# KiCad board Regulador.kicad_pcb (continued)
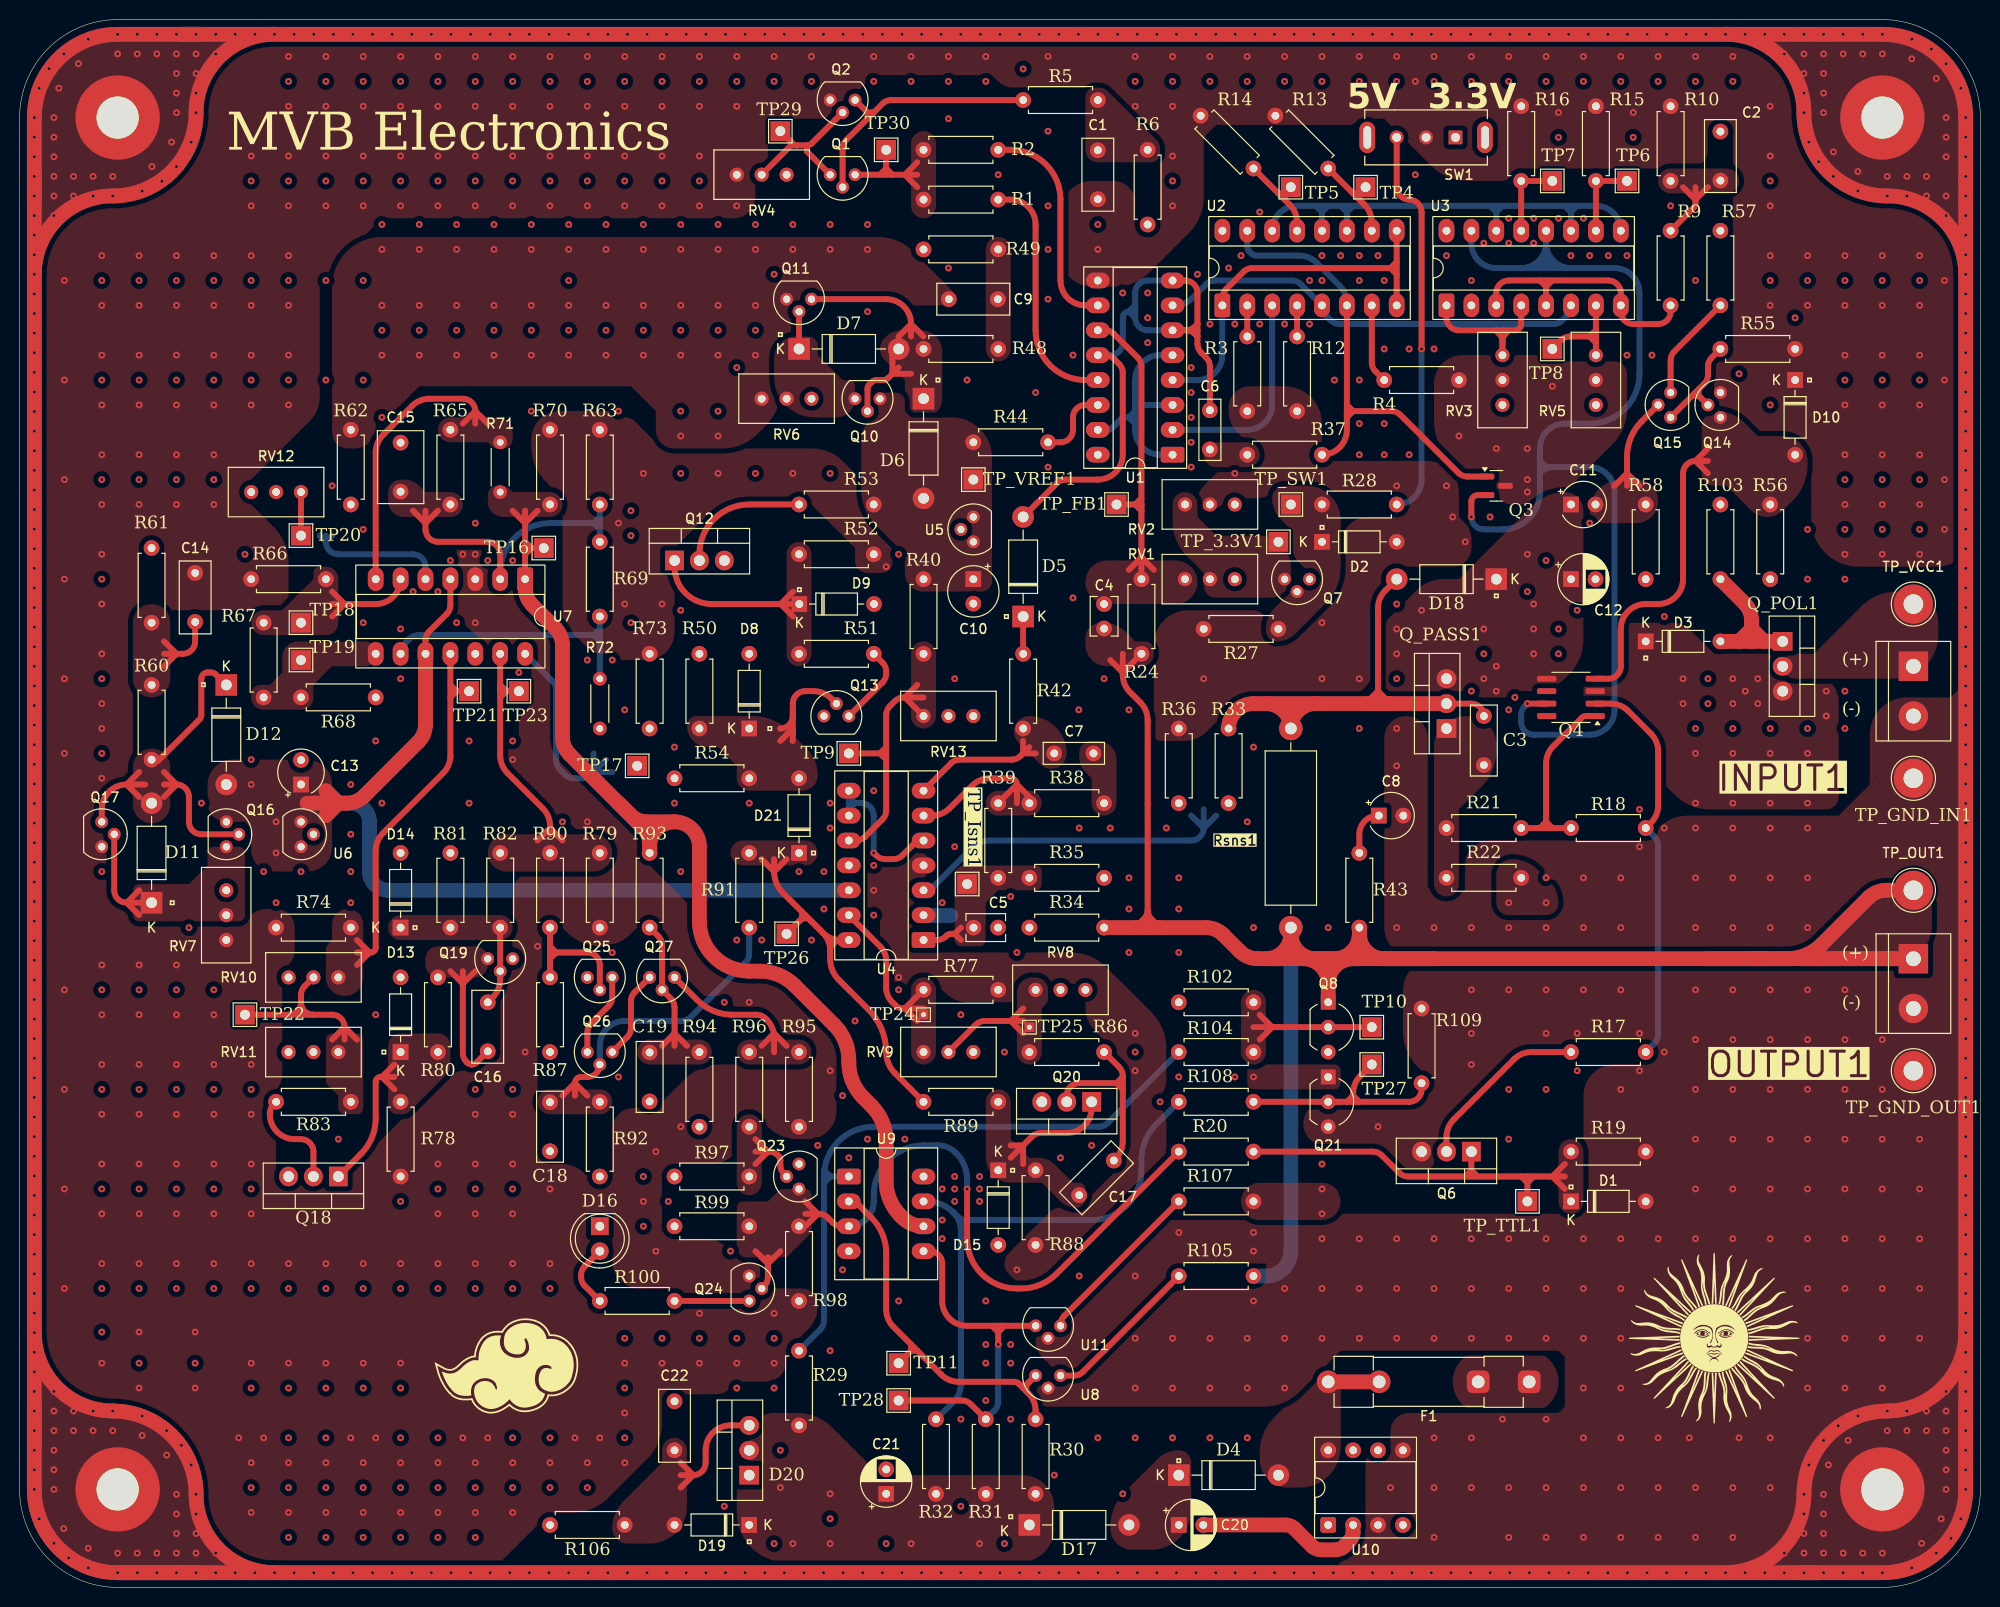
[diagram p0: board, top side]
## Library data of the parts
C1 C2 C4-C17 C20-C22 = -: ki_fp_filters: C_*
C3 C18 C19 = -: Description: Unpolarized capacitor; ki_fp_filters: C_*
D1-D3 D8-D10 D13-D15 D19 = -: ki_fp_filters: TO-???* *_Diode_* *SingleDiode* D_*
D4-D7 D11 D12 D17 D18 = -: Datasheet: http://www.vishay.com/docs/88525/1n5817.pdf; Description: 40V 1A Schottky Barrier Rectifier Diode, DO-41; ki_fp_filters: D*DO?41*
D16 = -: Description: Light emitting diode; Sim.Pins: 1=K 2=A; ki_fp_filters: LED* LED_SMD:* LED_THT:*
D20 = -: Description: Silicon controlled rectifier, cathode/anode/gate
D21 = -: Sim.Device: D; Sim.Pins: 1=K 2=A; ki_fp_filters: D*DO?35*
F1 = -: ki_fp_filters: *Fuse*
H1-H4 = -: ki_fp_filters: MountingHole*Pad*
INPUT1 OUTPUT1 = -: ki_fp_filters: Connector*:*_1x??_*
Q1 Q2 Q7 Q10 Q11 Q13-Q17 Q19 Q23-Q27 = -: ki_fp_filters: TO?92*
Q3 = -: Datasheet: https://www.onsemi.com/pub/Collateral/BC808-D.pdf; Description: 0.8A Ic, 45V Vce, PNP Transistor, SOT-23; ki_fp_filters: SOT?23*
Q6 Q12 Q18 = -: Datasheet: https://ngspice.sourceforge.io/docs/ngspice-html-manual/manual.xhtml#cha_MOSFETs; Description: N-MOSFET transistor, drain/source/gate; Sim.Device: NMOS; Sim.Type: VDMOS; Sim.Pins: 1=D 2=G 3=S
Q8 Q21 = -: Sim.Device: PJFET; Sim.Type: SHICHMANHODGES; Sim.Pins: 1=D 2=G 3=S
Q20 = -: Sim.Device: NMOS; Sim.Type: VDMOS; Sim.Pins: 1=G 2=D 3=S
Q_PASS1 = -: Datasheet: https://www.centralsemi.com/get_document.php?cmp=1&mergetype=pd&mergepath=pd&pdf_id=TIP42.PDF; Description: -6A Ic, -100V Vce, Power PNP Transistor, TO-220; ki_fp_filters: TO?220*
Q_POL1 = -: Datasheet: http://www.infineon.com/dgdl/irf4905.pdf?fileId=5546d462533600a4015355e32165197c; Description: -74A Id, -55V Vds, Single P-Channel HEXFET Power MOSFET, 20mOhm Ron, TO-220AB; ki_fp_filters: TO?220*
R1-R6 R9 R10 R12-R22 R24 R27-R40 R42-R44 R48-R58 R60-R63 R65-R70 R73 R74 R77-R83 R86-R100 R102-R109 = -: Description: Resistor, US symbol; ki_fp_filters: R_*
R71 R72 Rsns1 = -: ki_fp_filters: R_*
RV1-RV13 = -: ki_fp_filters: Potentiometer*
SW1 = -: Height: 4.7; Manufacturer_Name: KNITTER-SWITCH; Manufacturer_Part_Number: MFP113D-RA
TP4-TP11 TP16-TP30 TP_3.3V1 TP_FB1 TP_GND_IN1 TP_GND_OUT1 TP_Isns1 TP_OUT1 TP_SW1 TP_TTL1 TP_VCC1 TP_VREF1 = -: ki_fp_filters: Pin* Test*
U4 = -: ki_fp_filters: SOIC*3.9x8.7mm*P1.27mm* DIP*W7.62mm* TSSOP*4.4x5mm*P0.65mm* SSOP*5.3x6.2mm*P0.65mm* MSOP*3x3mm*P0.5mm*
U5 U6 U8 U11 = -: ki_fp_filters: TO*92*
U7 = -: ki_fp_filters: SOIC*3.9x8.7mm*P1.27mm* TSSOP*4.4x5mm*P0.65mm*
U9 = -: ki_fp_filters: SOIC*3.9x4.9mm*P1.27mm* DIP*W7.62mm* SOP*5.28x5.23mm*P1.27mm* VSSOP*3x3mm*P0.65mm* TSSOP*4.4x3mm*P0.65mm*
U10 = -: ki_fp_filters: DIP*W7.62mm* SOIC*3.9x4.9mm* MSOP*3x3mm*P0.65mm* TO?99*

## Footprints (pads in the part's own frame, mm; a bottom-side part is the same pattern mirrored in y, then rotated)
C_Disc_D3.8mm_W2.6mm_P2.50mm
  round 1.6 hole 0.8: 1(0,0) 2(2.5,0)
C_Rect_L7.0mm_W2.0mm_P4.00mm
  round 1.6 hole 0.8: 1(0.5,0) 2(4.5,0)
C_Rect_L7.0mm_W2.5mm_P5.00mm
  round 1.6 hole 0.8: 1(0,0) 2(5,0)
C_Rect_L7.2mm_W3.0mm_P5.00mm_FKS2_FKP2_MKS2_MKP2
  round 1.6 hole 0.8: 1(0,0) 2(5,0)
C_Rect_L7.2mm_W4.5mm_P5.00mm_FKS2_FKP2_MKS2_MKP2
  round 1.6 hole 0.8: 1(0,0) 2(5,0)
CERDIP-8
  rrect 2.4x1.6 hole 0.8: 1(0,0)
  oval 2.4x1.6 hole 0.8: 2(0,-2.54) 3(0,-5.08) 4(0,-7.62) 5(7.62,-7.62) 6(7.62,-5.08) 7(7.62,-2.54) 8(7.62,0)
CERDIP-14
  rrect 2.4x1.6 hole 0.8: 1(0,0)
  oval 2.4x1.6 hole 0.8: 2(0,-2.54) 3(0,-5.08) 4(0,-7.62) 5(0,-10.16) 6(0,-12.7) 7(0,-15.24) 8(7.62,-15.24) 9(7.62,-12.7) 10(7.62,-10.16) 11(7.62,-7.62) 12(7.62,-5.08) 13(7.62,-2.54) 14(7.62,0)
CP_Radial_D5.0mm_P2.50mm
  rect 1.6x1.6 hole 0.8: 1(0,0)
  round 1.6 hole 0.8: 2(2.5,0)
CP_Radial_Tantal_D4.5mm_P2.50mm
  rect 1.6x1.6 hole 0.8: 1(0,0)
  round 1.6 hole 0.8: 2(2.5,0)
CP_Radial_Tantal_D5.0mm_P2.50mm
  rect 1.6x1.6 hole 0.8: 1(0,0)
  round 1.6 hole 0.8: 2(2.5,0)
D_DO-35_SOD27_P7.62mm_Horizontal
  rect 1.6x1.6 hole 0.8: 1(0,0)
  oval 1.6x1.6 hole 0.8: 2(7.62,0)
D_DO-41_SOD81_P10.16mm_Horizontal
  rect 2.2x2.2 hole 1.1: 1(0,0)
  oval 2.2x2.2 hole 1.1: 2(10.16,0)
DIP-8_W7.62mm_Socket
  rrect 1.6x1.6 hole 0.8: 1(0,0)
  round 1.6 hole 0.8: 2(0,-2.54) 3(0,-5.08) 4(0,-7.62) 5(7.62,-7.62) 6(7.62,-5.08) 7(7.62,-2.54) 8(7.62,0)
DIP-16
  rrect 2.4x1.6 hole 0.8: 1(0,0)
  oval 2.4x1.6 hole 0.8: 2(0,-2.54) 3(0,-5.08) 4(0,-7.62) 5(0,-10.16) 6(0,-12.7) 7(0,-15.24) 8(0,-17.78) 9(7.62,-17.78) 10(7.62,-15.24) 11(7.62,-12.7) 12(7.62,-10.16) 13(7.62,-7.62) 14(7.62,-5.08) 15(7.62,-2.54) 16(7.62,0)
Fuseholder_Clip-5x20mm_Littelfuse_445-030_Inline_P20.50x5.20mm_D1.30mm_Horizontal
  rrect 2.3x2.3 hole 1.3: 1(0,0) 1(5.2,0)
  round 2.3 hole 1.3: 2(15.3,0) 2(20.5,0)
LED_D5.0mm
  rect 1.8x1.8 hole 0.9: 1(0,0)
  round 1.8 hole 0.9: 2(2.54,0)
MountingHole_4.3mm_M4_Pad_TopOnly
  round 4.7 hole 4.3: 1(0,0)
  round 8.6 smd: 1(0,0)
Potentiometer_Bourns_3296W_Vertical
  round 1.44 hole 0.8: 1(0,0) 2(-2.54,0) 3(-5.08,0)
R_Axial_DIN0204_L3.6mm_D1.6mm_P5.08mm_Horizontal
  round 1.4 hole 0.7: 1(0,0)
  oval 1.4x1.4 hole 0.7: 2(5.08,0)
R_Axial_DIN0207_L6.3mm_D2.5mm_P7.62mm_Horizontal
  round 1.6 hole 0.8: 1(0,0)
  oval 1.6x1.6 hole 0.8: 2(7.62,0)
R_Axial_DIN0516_L15.5mm_D5.0mm_P20.32mm_Horizontal
  round 2.4 hole 1.2: 1(0,0)
  oval 2.4x2.4 hole 1.2: 2(20.32,0)
SOIC-8_3.9x4.9mm_P1.27mm
  rrect 1.95x0.6 smd: 1(-2.475,1.905) 2(-2.475,0.635) 3(-2.475,-0.635) 4(-2.475,-1.905) 5(2.475,-1.905) 6(2.475,-0.635) 7(2.475,0.635) 8(2.475,1.905)
SOT-23
  rrect 1.475x0.6 smd: 1(-0.938,0.95) 2(-0.938,-0.95) 3(0.938,0)
SWITCH1
  rect 1.408x1.408 hole 0.9: 1(-3.25,0)
  round 1.408 hole 0.9: 2(-0.25,0) 3(2.75,0)
  oval 1.6x3.2 hole 0.8x2.3: MH1(-6.25,0) MH2(5.75,0)
TerminalBlock_P5.08mm
  rect 3x3 hole 1.52: 1(0,0)
  round 3 hole 1.52: 2(5.08,0)
TestPoint_THTPad_1.0x1.0mm_Drill0.5mm
  rect 1x1 hole 0.5: 1(0,0)
TestPoint_THTPad_2.0x2.0mm_Drill1.0mm
  rect 2x2 hole 1: 1(0,0)
TestPoint_THTPad_D4.0mm_Drill2.0mm
  round 4 hole 2: 1(0,0)
TO92-Custom
  round 1.3 hole 0.75: 1(0,0) 2(1.27,1.27) 3(2.54,0)
TO-92_Inline_Wide
  rect 1.5x1.5 hole 0.8: 1(0,0)
  round 1.5 hole 0.8: 2(2.54,0) 3(5.08,0)
TO-220-3_Vertical
  rect 1.905x2 hole 1.1: 1(0,0)
  oval 1.905x2 hole 1.1: 2(2.54,0) 3(5.08,0)

## Nets
/3.3V: Q7.3 RV1.2 RV2.1 TP_3.3V1.1
GND: C2.1 C8.2 C10.2 C12.2 C13.2 C15.2 C18.2 C19.2 C21.2 C22.2 D1.2 D2.2 D8.2 D9.2 D13.2 D14.2 D15.2 D16.1 D20.1 H1.1 H2.1 H3.1 H4.1 INPUT1.2 OUTPUT1.2 Q3.3 Q6.3 Q7.1 Q8.3 Q12.3 Q13.1 Q18.3 Q19.1 Q20.3 Q21.3 Q23.3 Q25.3 R3.2 R4.2 R6.2 R12.2 R19.2 R27.2 R36.1 R49.2 R50.2 R56.2 R57.2 R58.2 R61.2 R68.1 R81.2 R87.1 R92.1 R94.1 R97.1 R99.1 R102.2 R103.2 R106.1 R109.2 RV2.2 RV3.2 RV5.2 RV8.2 RV11.2 RV12.2 RV13.2 SW1.MH1 SW1.MH2 TP_GND_IN1.1 TP_GND_OUT1.1 U1.16 U2.16 U3.2 U3.16 U4.11 U5.2 U6.2 U7.12 U8.2 U9.4 U10.3 U10.5 U11.2
VCC: INPUT1.1 Q_POL1.2 TP_VCC1.1
VEE: C1.1 C14.1 D3.1 D10.1 F1.1 Q2.3 Q4.3 Q14.3 Q17.3 Q24.1 Q_POL1.3 R10.2 R13.1 R14.1 R15.1 R16.1 R52.1 R55.1 R63.2 R66.2 R70.2 R73.1 R74.2 R77.2 R78.1 R79.2 R88.1 R95.2 R98.2 RV4.1 RV7.1 SW1.2 U1.9 U4.4 U7.3
1: R79.1 R82.2 R90.1 TP23.1 U7.13
2: D21.1 R89.2 R91.1 TP26.1 U4.14
FB: C4.2 R24.2 RV1.1 TP_FB1.1 U1.11
LDO2: R70.1 R71.1 R93.1 TP16.1 U7.1 U9.6
OUT: C4.1 OUTPUT1.1 Q8.1 R24.1 R34.1 R43.1 R105.1 Rsns1.2 TP_OUT1.1
REF2: C13.1 D12.2 Q16.1 U4.12 U6.1 U6.3 U7.4 U7.10
TL1: R54.2 R72.1 R73.2 TP17.1 U7.14
TTL: Q23.1 Q24.2 R20.2 R98.1 R99.2 U9.3
VCTRL: C9.1 C11.1 C12.1 D18.1 Q4.5 Q11.3 Q21.1 Q_PASS1.3 R22.1 R62.1 R107.1 RV6.1
VDOBL: C21.1 D17.1 D19.1 D20.2 R29.1 R30.1 R31.1 R32.1 U9.8
VREF: C10.1 D6.2 Q10.1 R40.2 R44.1 R53.1 TP_VREF1.1 U5.1 U5.3
Net-(C1-Pad2): C1.2 R5.2 R6.1
Net-(C2-Pad2): C2.2 R9.2 R10.1
Net-(C5-Pad2): C5.2 R35.2 R39.1 TP_Isns1.1 U4.1
Net-(C6-Pad1): C6.1 R37.1
Net-(C7-Pad1): C7.1 R42.2 U4.7
Net-(C7-Pad2): C7.2 R38.1
Net-(C8-Pad1): C8.1 R43.2
Net-(C9-Pad2): C9.2 R48.2 R49.1
Net-(C14-Pad2): C14.2 R60.2 R61.1
Net-(C15-Pad1): C15.1 R63.1 R65.2 R69.2 U7.2
Net-(D1-K): D1.1 Q6.1 R19.1 R20.1 TP_TTL1.1
Net-(D2-K): D2.1 Q7.2 R27.1 R28.1 TP_SW1.1
Net-(D3-A): D3.2 Q_POL1.1 R103.1
Net-(D4-A): D4.2 F1.2 U10.8
Net-(D5-A): C6.2 D5.2 U1.6 U1.8 U1.12
Net-(D5-K): D5.1 R42.1
Net-(D6-K): D6.1 D7.2 Q10.2 Q11.1 R48.1
Net-(D7-K): D7.1 Q10.3 Q11.2 RV6.2
Net-(D9-K): D9.1 Q12.1 R51.1 R52.2
Net-(D10-A): D10.2 Q4.4 Q14.1 R56.1
Net-(D11-A): D11.2 D12.1 Q16.2 Q17.1 R60.1
Net-(D11-K): D11.1 Q16.3 Q17.2 RV7.2
Net-(D13-K): D13.1 Q18.1 R78.2 R80.1
Net-(D14-K): C16.2 D14.1 Q19.2 R81.1 R82.1
Net-(D15-K): C17.2 D15.1 Q20.1 R88.2 R89.1
Net-(D16-A): D16.2 R100.1
Net-(D17-A): C20.1 D4.1 D17.2
Net-(D18-A): C3.1 D18.2 Q_PASS1.2 R33.1 Rsns1.1
Net-(D19-A): C22.1 D19.2 D20.3 R106.2
Net-(D21-A): D8.1 D21.2 Q13.2 R50.1 R54.1
Net-(Q1-B): Q1.2 Q2.1 R5.1
Net-(Q1-C): Q1.1 R1.1 R2.1 TP30.1
Net-(Q1-E): Q1.3 Q2.2 RV4.2 TP29.1
Net-(Q3-B): Q3.1 R37.2 U2.6 U2.15
Net-(Q3-E): Q3.2 Q4.7 U3.12 U3.15
Net-(Q4-Pad1): Q4.1 R18.1 R21.2
Net-(Q4-Pad2): Q4.2 R17.1 R18.2
Net-(Q6-D): Q6.2 R17.2
Net-(Q8-G): Q8.2 R102.1 R104.2 TP10.1
Net-(Q12-D): Q12.2 R53.2
Net-(Q13-D): Q13.3 R51.2
Net-(Q14-B): Q14.2 Q15.1 R55.2
Net-(Q15-B): C11.2 Q15.2 R58.1
Net-(Q15-E): Q15.3 R57.1
Net-(Q18-D): Q18.2 R83.2
Net-(Q19-D): C16.1 Q19.3 R80.2
Net-(Q20-D): C17.1 Q20.2 R86.2
Net-(Q21-G): Q21.2 R108.2 R109.1 TP27.1
Net-(Q23-B): Q23.2 R96.1 R97.2
Net-(Q24-E): Q24.3 R100.2
Net-(Q25-B): Q25.2 R87.2 R90.2
Net-(Q25-C): Q25.1 Q26.3
Net-(Q26-B): C18.1 Q26.2 R91.2 R92.2
Net-(Q26-C): Q26.1 Q27.3
Net-(Q27-B): C19.1 Q27.2 R93.2 R94.2
Net-(Q27-C): Q27.1 R95.1 R96.2
Net-(Q_PASS1-B): C3.2 Q_PASS1.1 R21.1 R22.2
Net-(R83-Pad1): R83.1 RV10.2 RV11.1 TP22.1
Net-(R86-Pad1): R86.1 RV8.1 RV9.2 TP25.1
Net-(R104-Pad1): R29.2 R104.1 U9.1
Net-(R108-Pad1): R32.2 R108.1 U9.7
Net-(SW1-NO): R28.2 SW1.3
Net-(U1A-B): U1.1 U1.3 U1.5 U1.15
Net-(U1A-E): U1.2 U2.3
Net-(U1B-E): U1.4 U2.1 U2.8 U2.9
Net-(U1C-E): U1.7 U2.5 U3.6
Net-(U1D-E): R2.2 U1.10
Net-(U1E-B): R44.2 U1.14
Net-(U1E-E): R1.2 U1.13
Net-(U2A-E): R3.1 U2.2
Net-(U2B-E): R12.1 U2.4
Net-(U2C-E): R4.1 U2.7
Net-(U2D-B): U2.11 U2.12 U2.14 U3.9 U3.11 U3.14
Net-(U2D-E): R13.2 TP4.1 U2.10
Net-(U2E-E): R14.2 TP5.1 U2.13
Net-(U3A-B): RV3.1 U3.1 U3.4
Net-(U3A-C): R9.1 U3.3 U3.5 U3.8
Net-(U3C-E): RV5.1 TP8.1 U3.7
Net-(U3D-E): R15.2 TP6.1 U3.10
Net-(U3E-E): R16.2 TP7.1 U3.13
Net-(U4A-+): R33.2 R36.2 U4.3
Net-(U4A--): C5.1 R34.2 R35.1 U4.2
Net-(U4B-+): U4.5 U4.8 U4.9
Net-(U4B--): R38.2 R39.2 U4.6
Net-(U4C-+): R40.1 RV13.1 TP9.1 U4.10
Net-(U4D--): R77.1 RV9.1 TP24.1 U4.13
Net-(U7A-+): R62.2 RV12.1 TP20.1 U7.5
Net-(U7B-+): R65.1 R71.2 U7.7
Net-(U7B--): R66.1 R67.1 TP18.1 U7.6
Net-(U7C-+): R74.1 RV10.1 TP21.1 U7.11
Net-(U7D-+): R69.1 R72.2 U7.9
Net-(U7D--): R67.2 R68.2 TP19.1 U7.8
Net-(U8-K): R30.2 TP11.1 U8.3 U9.2
Net-(U8-REF): R105.2 U8.1
Net-(U10-CAP+): C20.2 U10.2
Net-(U11-K): R31.2 TP28.1 U9.5 U11.3
Net-(U11-REF): R107.2 U11.1

Pads without a net: Q4 6 8; RV1 3; RV2 3; RV3 3; RV4 3; RV5 3; RV6 3; RV7 3; RV8 3; RV9 3; RV10 3; RV11 3; RV12 3; RV13 3; SW1 1; U10 1 4 6 7

## Via types
v1: diameter 0.7, hole 0.3, Top to Bottom, 1452 vias

## Routing (per net, layer and track width the routed paths; a pad name or vN(x,y) marks a point on that pad's centre or on a via; arc(x,y) is an arc through that point)
GND: length 1877
  Top w1.5: 18.5,1.5 v1(10,1.5) ; 1.5,14.5 1.5,143.5 ; 1.5,143.5 v1(1.5,150) arc(3.99,156.01) v1(10,158.5) 16.5,158.5 ; 1.5,143.5 1.5,141.5 ; v1(198.5,10) v1(198.5,150) arc(196.01,156.01) v1(190,158.5) 16.5,158.5 ; v1(198.5,10) 198.5,18.5 ; v1(198.5,10) arc(196.01,3.99) v1(190,1.5) 183.5,1.5 ; v1(10,1.5) 183.5,1.5 ; v1(10,1.5) arc(3.99,3.99) v1(1.5,10) 1.5,18.5 ; 183.5,1.5 181.5,1.5 ; 18.5,158.5 16.5,158.5 ; 198.5,134.01 arc(196.16,139.67) 190.5,142.01 ; v1(182,150.5) arc(184.49,144.49) v1(190.5,142) ; v1(190.5,18) arc(184.49,15.51) v1(182,9.5) ; 1.5,26.01 arc(3.84,20.35) 9.5,18.01 ; 190.5,18.01 arc(196.16,20.35) 198.5,26.01 ; v1(18,9.5) arc(15.51,15.51) v1(9.5,18) ; 9.5,142.01 arc(3.84,139.67) 1.5,134.01 ; 182,150.51 arc(179.66,156.17) 174,158.51 ; 18,9.51 arc(20.34,3.85) 26,1.51 ; 174,1.51 arc(179.66,3.85) 182,9.51 ; 26,158.51 arc(20.34,156.17) 18,150.51 ; v1(9.5,142) arc(15.51,144.49) v1(18,150.5)
  Bottom w1.5: v1(198.5,10) 198.5,18.5 ; v1(198.5,10) 198.5,143.5 ; v1(198.5,10) arc(196.01,3.99) v1(190,1.5) ; v1(198.5,10) arc(196.01,3.99) v1(190,1.5) ; 183.5,158.5 181.5,158.5 ; 183.5,158.5 v1(190,158.5) ; 183.5,158.5 16.5,158.5 ; 183.5,158.5 v1(190,158.5) ; v1(1.5,150) 1.5,143.5 ; v1(1.5,150) 1.5,143.5 ; v1(1.5,150) arc(3.99,156.01) v1(10,158.5) ; v1(1.5,150) arc(3.99,156.01) v1(10,158.5) ; 1.5,143.5 1.5,141.5 ; 1.5,143.5 v1(1.5,10) ; 198.5,143.5 v1(198.5,150) ; 198.5,143.5 198.5,141.5 ; v1(1.5,10) 1.5,18.5 ; v1(1.5,10) arc(3.99,3.99) v1(10,1.5) ; v1(1.5,10) arc(3.99,3.99) v1(10,1.5) ; 18.5,158.5 16.5,158.5 ; 16.5,158.5 v1(10,158.5) ; 181.5,1.5 183.5,1.5 ; 183.5,1.5 v1(10,1.5) ; 183.5,1.5 v1(190,1.5) ; v1(10,1.5) 18.5,1.5 ; v1(190,158.5) arc(196.01,156.01) v1(198.5,150) ; v1(190,158.5) arc(196.01,156.01) v1(198.5,150) ; 198.5,134.01 arc(196.16,139.67) 190.5,142.01 ; 182,150.51 arc(179.66,156.17) 174,158.51 ; 9.5,142 arc(15.51,144.49) 18,150.5 ; 190.5,18.01 arc(196.16,20.35) 198.5,26.01 ; 9.5,142.01 arc(3.84,139.67) 1.5,134.01 ; 18,9.5 arc(15.51,15.51) 9.5,18 ; v1(18,9.5) arc(15.51,15.51) v1(9.5,18) ; 1.5,26.01 arc(3.84,20.35) 9.5,18.01 ; v1(9.5,142) arc(15.51,144.49) v1(18,150.5) ; 26,158.51 arc(20.34,156.17) 18,150.51 ; 174,1.51 arc(179.66,3.85) 182,9.51 ; 18,9.51 arc(20.34,3.85) 26,1.51 ; v1(182,150.5) arc(184.49,144.49) v1(190.5,142) arc(184.49,144.49) v1(182,150.5) ; v1(190.5,18) arc(184.49,15.51) v1(182,9.5) arc(184.49,15.51) v1(190.5,18)
  vias: v1(1.5,148) v1(1.5,146) v1(1.5,144) v1(1.5,142) v1(1.5,140) v1(1.5,138) v1(1.5,136) v1(1.5,134) v1(1.5,132) v1(1.5,130) v1(1.5,128) v1(1.5,126) v1(1.5,124) v1(1.5,122) v1(1.5,120) v1(1.5,118) v1(1.5,116) v1(1.5,114) v1(1.5,112) v1(1.5,110) v1(1.5,108) v1(1.5,106) v1(1.5,104) v1(1.5,102) v1(1.5,100) v1(1.5,98) v1(1.5,96) v1(1.5,94) v1(1.5,92) v1(1.5,90) v1(1.5,88) v1(1.5,86) v1(1.5,84) v1(1.5,82) v1(1.5,80) v1(1.5,78) v1(1.5,76) v1(1.5,74) v1(1.5,72) v1(1.5,70) v1(1.5,68) v1(1.5,66) v1(1.5,64) v1(1.5,62) v1(1.5,60) v1(1.5,58) v1(1.5,56) v1(1.5,54) v1(1.5,52) v1(1.5,50) v1(1.5,48) v1(1.5,46) v1(1.5,44) v1(1.5,42) v1(1.5,40) v1(1.5,38) v1(1.5,36) v1(1.5,34) v1(1.5,32) v1(1.5,30) v1(1.5,28) v1(1.5,26) v1(1.5,24) v1(1.5,22) v1(1.5,20) v1(1.5,18) v1(1.5,16) v1(1.5,14) v1(1.5,12) v1(2,153) v1(2,7) v1(3,155) v1(3.5,150) v1(3.5,148) v1(3.5,146) v1(3.5,144) v1(3.5,142) v1(3.5,140) v1(3.5,20) v1(3.5,18) v1(3.5,16) v1(3.5,14) v1(3.5,12) v1(3.5,10) v1(3.5,4.5) v1(4,153) v1(4.5,156.5) v1(4.5,6) v1(5,3) v1(5.5,144) v1(5.5,142) v1(5.5,18) v1(5.5,16) v1(6,155.5) v1(7,158) v1(7,4) v1(7,2) v1(7.5,144) v1(7.5,142) v1(7.5,18) v1(7.5,16) v1(8.38,133.38) v1(8.38,123.22) v1(8.38,113.05) v1(8.38,102.9) v1(8.38,92.73) v1(8.38,85.12) v1(8.38,73.05) v1(8.38,60.98) v1(8.38,50.82) v1(8.38,40.66) v1(8.38,30.5) v1(8.38,26.06) v1(9.5,144) v1(9.5,16) v1(10,156.5) v1(10,3.5) v1(12,158.5) v1(12,156.5) v1(12,3.5) v1(12,1.5) v1(12.19,133.38) v1(12.19,123.22) v1(12.19,113.05) v1(12.19,60.98) v1(12.19,50.82) v1(12.19,40.66) v1(12.19,30.5) v1(12.19,22.88) v1(12.5,142.5) v1(12.5,17.5) v1(12.5,15.5) v1(13.5,145) v1(14,158.5) v1(14,156.5) v1(14,3.5) v1(14,1.5) v1(14.5,143.5) v1(15,16) v1(15,13.5) v1(15.5,147.5) v1(16,158.5) v1(16,156.5) v1(16,154.5) v1(16,152.5) v1(16,150.5) v1(16,145) v1(16,133.38) v1(16,123.22) v1(16,113.05) v1(16,60.98) v1(16,50.82) v1(16,40.66) v1(16,30.5) v1(16,9.5) v1(16,7.5) v1(16,5.5) v1(16,3.5) v1(16,1.5) v1(16.5,14.5) v1(17.27,67.34) v1(17.5,147.5) v1(17.5,12.5) v1(17.91,22.88) v1(18,158.5) v1(18,156.5) v1(18,154.5) v1(18,152.5) v1(18,7.5) v1(18,5.5) v1(18,3.5) v1(18,1.5) v1(18.54,80.03) v1(19.81,133.38) v1(19.81,123.22) v1(19.81,113.05) v1(19.81,60.98) v1(19.81,50.82) v1(19.81,40.66) v1(19.81,30.5) v1(20,158.5) v1(20,156.5) v1(20,3.5) v1(20,1.5) v1(22,158.5) v1(22,1.5) v1(22.99,105.44) v1(23.62,143.53) v1(23.62,133.38) v1(23.62,123.22) v1(23.62,84.48) v1(23.62,50.82) v1(23.62,40.66) v1(23.62,30.5) v1(23.62,20.34) v1(23.62,10.19) v1(24,158.5) v1(24,1.5) v1(24.89,73.05) v1(26,158.5) v1(26,1.5) v1(26.16,69.88) v1(27.43,153.69) v1(27.43,143.53) v1(27.43,133.38) v1(27.43,123.22) v1(27.43,30.5) v1(27.43,20.34) v1(27.43,15.26) v1(27.43,10.19) v1(27.43,5.1) v1(28,158.5) v1(28,1.5) v1(28.7,73.05) v1(30,158.5) v1(30,1.5) v1(31.24,153.69) v1(31.24,143.53) v1(31.24,133.38) v1(31.24,123.22) v1(31.24,30.5) v1(31.24,20.34) v1(31.24,15.26) v1(31.24,10.19) v1(31.24,5.1) v1(31.88,112.42) v1(32,158.5) v1(32,1.5) v1(32.51,45.75) v1(33.78,81.94) v1(33.78,76.86) v1(33.78,73.05) v1(33.78,69.88) v1(34,158.5) v1(34,1.5) v1(35.05,153.69) v1(35.05,143.53) v1(35.05,133.38) v1(35.05,123.22) v1(35.05,107.97) v1(35.05,98.45) v1(35.05,30.5) v1(35.05,20.34) v1(35.05,10.19) v1(35.05,5.1) v1(36,158.5) v1(36,1.5) v1(36.32,86.38) v1(36.32,58.44) v1(36.96,139.09) v1(36.96,128.3) v1(36.96,119.41) v1(36.96,80.03) v1(38,158.5) v1(38,1.5) v1(38.86,153.69) v1(38.86,143.53) v1(38.86,97.81) v1(38.86,92.73) v1(38.86,39.4) v1(38.86,30.5) v1(38.86,20.34) v1(38.86,15.26) v1(38.86,10.19) v1(38.86,5.1) v1(40,158.5) v1(40,1.5) v1(40.13,101.62) v1(40.76,139.09) v1(40.76,128.3) v1(42,158.5) v1(42,1.5) v1(42.67,153.69) v1(42.67,143.53) v1(42.67,101.62) v1(42.67,40.66) v1(42.67,30.5) v1(42.67,15.26) v1(42.67,10.19) v1(42.67,5.1) v1(43.94,104.8) v1(44,158.5) v1(44,1.5) v1(44.57,139.09) v1(44.57,128.3) v1(44.57,98.45) v1(45.85,86.38) v1(45.85,80.03) v1(46,158.5) v1(46,1.5) v1(46.48,153.69) v1(46.48,143.53) v1(46.48,108.61) v1(46.48,50.82) v1(46.48,40.66) v1(46.48,30.5) v1(46.48,10.19) v1(46.48,5.1) v1(47.75,104.8) v1(48,158.5) v1(48,1.5) v1(48.38,139.09) v1(48.38,128.3) v1(50,158.5) v1(50,1.5) v1(50.29,153.69) v1(50.29,143.53) v1(50.29,104.8) v1(50.29,86.38) v1(50.29,50.82) v1(50.29,40.66) v1(50.29,30.5) v1(50.29,15.26) v1(50.29,10.19) v1(50.93,93.37) v1(52,158.5) v1(52,1.5) v1(52.19,139.09) v1(52.19,128.3) v1(52.19,120.04) v1(54,158.5) v1(54,1.5) v1(54.1,153.69) v1(54.1,143.53) v1(54.1,30.5) v1(54.1,15.26) v1(54.1,10.19) v1(55.37,78.13) v1(56,158.5) v1(56,139.09) v1(56,133.38) v1(56,128.3) v1(56,1.5) v1(57.91,153.69) v1(57.91,143.53) v1(57.91,94.64) v1(57.91,10.19) v1(58,158.5) v1(58,1.5) v1(59.81,139.09) v1(59.81,128.3) v1(60,158.5) v1(60,1.5) v1(60.45,94.64) v1(60.45,64.79) v1(61.09,120.04) v1(61.09,52.09) v1(61.72,153.69) v1(61.72,143.53) v1(61.72,89.56) v1(61.72,25.42) v1(61.72,20.34) v1(61.72,15.26) v1(62,158.5) v1(62,1.5) v1(62.36,109.88) v1(62.36,107.34) v1(62.36,98.45) v1(63.62,139.09) v1(63.62,128.3) v1(63.62,41.94) v1(63.62,36.85) v1(64,158.5) v1(64,1.5) v1(65.53,153.69) v1(65.53,143.53) v1(65.53,25.42) v1(66,158.5) v1(66,1.5) v1(66.17,39.4) v1(66.8,85.75) v1(66.8,80.03) v1(67.44,139.09) v1(67.44,128.3) v1(67.44,120.04) v1(67.44,113.69) v1(67.44,99.72) v1(67.44,73.05) v1(68,158.5) v1(68,1.5) v1(69.34,153.69) v1(69.34,143.53) v1(69.34,25.42) v1(70,158.5) v1(70,1.5) v1(71.25,139.09) v1(71.25,128.3) v1(71.25,120.04) v1(71.88,59.72) v1(71.88,8.28) v1(72,158.5) v1(72,1.5) v1(72.51,34.31) v1(73.15,153.69) v1(73.15,124.48) v1(73.15,66.06) v1(73.15,25.42) v1(73.15,20.34) v1(74,158.5) v1(74,1.5) v1(74.42,80.03) v1(75.06,139.09) v1(75.06,128.3) v1(75.06,113.69) v1(75.69,66.06) v1(76,158.5) v1(76,1.5) v1(76.96,153.69) v1(76.96,134.01) v1(76.96,25.42) v1(76.96,20.34) v1(76.96,4.47) v1(77.6,14) v1(78,158.5) v1(78,1.5) v1(78.87,139.09) v1(79.5,73.05) v1(80,158.5) v1(80,1.5) v1(80.77,153.69) v1(80.77,66.06) v1(81.41,45.11) v1(82,158.5) v1(82.04,73.05) v1(82.04,69.24) v1(82,1.5) v1(82.68,139.09) v1(82.68,113.69) v1(82.68,80.03) v1(82.68,77.5) v1(82.68,24.16) v1(82.68,7.01) v1(83.94,50.19) v1(83.94,32.41) v1(84,158.5) v1(84,1.5) v1(84.58,43.84) v1(85.22,57.81) v1(86,158.5) v1(86,1.5) v1(86.49,139.09) v1(86.49,130.2) v1(86.49,45.75) v1(87.12,153.69) v1(87.12,81.31) v1(87.12,73.69) v1(87.12,68.6) v1(88,158.5) v1(88,1.5) v1(88.39,4.47) v1(89.66,105.44) v1(89.66,60.98) v1(89.66,29.23) v1(90,158.5) v1(90,1.5) v1(90.3,45.75) v1(90.93,153.69) v1(92,158.5) v1(92,1.5) v1(94,158.5) v1(94,1.5) v1(94.11,69.88) v1(94.11,40.66) v1(94.11,37.49) v1(94.11,35.59) v1(94.74,153.69) v1(94.74,149.88) v1(94.74,134.64) v1(95.38,92.73) v1(95.38,75.59) v1(95.38,41.94) v1(95.38,40.66) v1(95.38,39.4) v1(96,158.5) v1(96.01,58.44) v1(96.01,17.17) v1(96.01,8.28) v1(96,1.5) v1(96.65,123.22) v1(97.92,41.94) v1(97.92,40.66) v1(97.92,39.4) v1(98,158.5) v1(98,1.5) v1(98.55,153.69) v1(98.55,29.23) v1(98.55,24.79) v1(98.55,22.88) v1(98.55,19.07) v1(99.82,144.17) v1(100,158.5) v1(100,1.5) v1(100.46,54.63) v1(100.46,4.47) v1(101.09,70.51) v1(101.09,24.79) v1(101.09,22.88) v1(101.09,17.17) v1(101.73,64.79) v1(102,158.5) v1(102,1.5) v1(102.36,154.97) v1(103.63,121.94) v1(104,158.5) v1(104,1.5) v1(104.9,148.62) v1(104.9,141) v1(104.9,136.55) v1(104.9,131.47) v1(104.9,114.33) v1(105.54,11.45) v1(106,158.5) v1(106,1.5) v1(106.17,43.84) v1(107.44,125.75) v1(107.44,100.99) v1(108,158.5) v1(108.04,89.56) v1(108,1.5) v1(108.07,77.5) v1(108.07,31.78) v1(109.35,45.11) v1(110,158.5) v1(109.98,139.09) v1(109.98,15.26) v1(110,1.5) v1(110.62,92.73) v1(111.25,77.5) v1(112,158.5) v1(112,1.5) v1(112.52,132.1) v1(112.52,9.55) v1(113.16,89.56) v1(113.16,72.41) v1(113.16,69.24) v1(113.16,64.79) v1(113.79,153.69) v1(113.79,54.63) v1(113.79,31.78) v1(113.79,25.42) v1(113.79,20.34) v1(113.79,15.26) v1(114,158.5) v1(114,1.5) v1(115.06,132.1) v1(115.06,129.56) v1(115.06,127.02) v1(116,158.5) v1(116,1.5) v1(116.33,49.56) v1(116.97,77.5) v1(117.6,153.69) v1(117.6,143.53) v1(117.6,25.42) v1(117.6,20.34) v1(117.6,15.26) v1(118,158.5) v1(118,1.5) v1(118.24,72.41) v1(118.24,69.24) v1(118.24,64.79) v1(118.24,52.09) v1(118.24,36.22) v1(119.5,124.48) v1(119.5,121.94) v1(119.5,119.41) v1(119.5,116.86) v1(119.5,114.33) v1(120,158.5) v1(120,1.5) v1(120.14,134.01) v1(120.78,92.73) v1(121.41,153.69) v1(121.41,128.93) v1(121.41,25.42) v1(121.41,20.34) v1(121.41,15.26) v1(122,158.5) v1(122,1.5) v1(123.31,134.64) v1(123.95,128.93) v1(123.95,113.69) v1(123.95,52.09) v1(124,158.5) v1(124,1.5) v1(124.59,135.91) v1(125.22,153.69) v1(125.22,78.13) v1(125.22,25.42) v1(125.22,20.34) v1(125.22,15.26) v1(125.86,85.75) v1(125.86,67.34) v1(125.86,36.22) v1(125.86,34.31) v1(125.86,29.23) v1(126,158.5) v1(126,1.5) v1(126.49,140.36) v1(126.49,128.93) v1(128,158.5) v1(128,1.5) v1(129.03,153.69) v1(129.03,128.93) v1(129.03,30.5) v1(129.03,25.42) v1(129.03,20.34) v1(130,158.5) v1(130,1.5) v1(131.57,133.38) v1(131.57,128.93) v1(132,158.5) v1(132,1.5) v1(132.84,153.69) v1(132.84,135.91) v1(132.84,133.38) v1(132.84,98.45) v1(132.84,92.73) v1(132.84,43.2) v1(132.84,35.59) v1(132.84,30.5) v1(132.84,25.42) v1(133.48,67.34) v1(134,158.5) v1(134,1.5) v1(134.11,123.22) v1(134.75,135.91) v1(136,158.5) v1(136,1.5) v1(136.65,153.69) v1(136.65,135.91) v1(136.65,133.38) v1(136.65,123.22) v1(136.65,118.77) v1(136.65,115.59) v1(136.65,92.73) v1(136.65,87.66) v1(136.65,35.59) v1(136.65,30.5) v1(136.65,25.42) v1(138,158.5) v1(138,1.5) v1(138.56,135.91) v1(138.56,47.01) v1(139.19,133.38) v1(139.19,126.39) v1(139.19,118.77) v1(139.19,115.59) v1(139.82,10.19) v1(140,158.5) v1(140,1.5) v1(140.46,153.69) v1(140.46,112.42) v1(140.46,100.35) v1(140.46,92.73) v1(140.46,87.66) v1(140.46,83.84) v1(140.46,67.34) v1(140.46,35.59) v1(140.46,30.5) v1(140.46,25.42) v1(141.73,126.39) v1(141.73,115.59) v1(142,158.5) v1(142,1.5) v1(142.37,144.17) v1(144,158.5) v1(144,1.5) v1(144.27,153.69) v1(144.27,126.39) v1(144.27,67.34) v1(144.27,35.59) v1(144.27,30.5) v1(144.27,25.42) v1(144.27,15.26) v1(144.27,10.19) v1(144.27,5.1) v1(145.54,135.91) v1(145.54,112.42) v1(146,158.5) v1(146,1.5) v1(146.18,109.25) v1(146.81,117.5) v1(147.44,106.7) v1(148,158.5) v1(148,1.5) v1(148.08,153.69) v1(148.08,133.38) v1(148.08,91.47) v1(148.08,67.34) v1(148.08,60.98) v1(148.08,56.54) v1(148.08,53.37) v1(148.08,35.59) v1(148.08,30.5) v1(148.08,25.42) v1(148.08,15.26) v1(148.08,10.19) v1(149.35,137.19) v1(149.35,95.28) v1(150,158.5) v1(149.99,109.25) v1(150,1.5) v1(150.62,116.23) v1(151.25,17.17) v1(151.89,153.69) v1(151.89,139.72) v1(151.89,137.19) v1(151.89,89.56) v1(151.89,67.34) v1(151.89,60.98) v1(151.89,50.82) v1(151.89,45.75) v1(151.89,35.59) v1(151.89,30.5) v1(151.89,25.42) v1(151.89,10.19) v1(151.89,5.1) v1(152,158.5) v1(152,1.5) v1(152.53,90.83) v1(153.8,116.23) v1(153.8,113.05) v1(153.8,111.78) v1(153.8,101.62) v1(154,158.5) v1(154,1.5) v1(154.43,139.72) v1(154.43,137.19) v1(155.7,153.69) v1(155.7,104.8) v1(155.7,72.41) v1(155.7,67.34) v1(155.7,60.98) v1(155.7,56.54) v1(155.7,50.82) v1(155.7,35.59) v1(155.7,30.5) v1(155.7,25.42) v1(155.7,17.17) v1(155.7,10.19) v1(155.7,5.1) v1(156,158.5) v1(156,1.5) v1(156.34,122.58) v1(156.97,147.98) v1(156.97,139.72) v1(156.97,97.81) v1(156.97,95.28) v1(158,158.5) v1(158,1.5) v1(158.24,135.91) v1(158.88,99.72) v1(158.88,56.54) v1(158.88,52.73) v1(159.51,153.69) v1(159.51,139.72) v1(159.51,72.41) v1(159.51,67.34) v1(159.51,60.98) v1(159.51,35.59) v1(159.51,30.5) v1(159.51,25.42) v1(159.51,20.34) v1(159.51,15.26) v1(159.51,10.19) v1(159.51,5.1) v1(160,158.5) v1(160,1.5) v1(160.15,135.91) v1(160.15,108.61) v1(162,158.5) v1(162.05,135.91) v1(162,1.5) v1(163.32,153.69) v1(163.32,72.41) v1(163.32,67.34) v1(163.32,60.98) v1(163.32,50.82) v1(163.32,35.59) v1(163.32,30.5) v1(163.32,25.42) v1(163.32,20.34) v1(163.32,15.26) v1(163.32,10.19) v1(163.32,5.1) v1(163.96,135.91) v1(163.96,125.75) v1(164,158.5) v1(164,1.5) v1(164.59,147.98) v1(165.23,79.4) v1(165.23,75.59) v1(165.23,56.54) v1(165.23,52.73) v1(166,158.5) v1(166,1.5) v1(166.5,125.75) v1(167.13,153.69) v1(167.13,35.59) v1(167.13,15.26) v1(167.13,10.19) v1(167.13,5.1) v1(167.76,99.09) v1(167.76,77.5) v1(167.76,54.63) v1(168,158.5) v1(168,1.5) v1(168.4,141) v1(170,158.5) v1(170,1.5) v1(170.31,15.26) v1(170.94,153.69) v1(170.94,87.66) v1(170.94,77.5) v1(170.94,72.41) v1(170.94,67.34) v1(170.94,60.98) v1(170.94,55.91) v1(170.94,50.82) v1(170.94,45.75) v1(170.94,40.66) v1(170.94,35.59) v1(170.94,10.19) v1(170.94,5.1) v1(172,158.5) v1(172,1.5) v1(172.21,92.73) v1(172.21,90.19) v1(174,158.5) v1(174,1.5) v1(174.75,153.69) v1(174.75,87.66) v1(174.75,77.5) v1(174.75,72.41) v1(174.75,67.34) v1(174.75,60.98) v1(174.75,55.91) v1(174.75,50.82) v1(174.75,45.75) v1(174.75,40.66) v1(174.75,35.59) v1(174.75,10.19) v1(174.75,5.1) v1(175.38,123.85) v1(175.38,15.26) v1(176,158.5) v1(176,1.5) v1(178,158.5) v1(178,1.5) v1(178.56,143.53) v1(178.56,133.38) v1(178.56,120.67) v1(178.56,87.66) v1(178.56,77.5) v1(178.56,72.41) v1(178.56,67.34) v1(178.56,60.98) v1(178.56,55.91) v1(178.56,50.82) v1(178.56,45.75) v1(178.56,40.66) v1(178.56,35.59) v1(178.56,15.26) v1(178.56,10.19) v1(180,158.5) v1(180,156.5) v1(180,3.5) v1(180,1.5) v1(181.1,129.56) v1(182,158.5) v1(182,156.5) v1(182,154.5) v1(182,152.5) v1(182,7.5) v1(182,5.5) v1(182,3.5) v1(182,1.5) v1(182.37,133.38) v1(182.37,107.97) v1(182.37,102.9) v1(182.37,87.66) v1(182.37,77.5) v1(182.37,72.41) v1(182.37,67.34) v1(182.37,60.98) v1(182.37,55.91) v1(182.37,50.82) v1(182.37,45.75) v1(182.37,40.66) v1(182.37,35.59) v1(182.37,30.5) v1(182.37,25.42) v1(182.37,20.34) v1(182.5,147.5) v1(182.5,12.5) v1(183.5,145.5) v1(184,158.5) v1(184,156.5) v1(184,154.5) v1(184,152.5) v1(184,150.5) v1(184,15) v1(184,9.5) v1(184,7.5) v1(184,5.5) v1(184,3.5) v1(184,1.5) v1(184.5,12.5) v1(185,146.5) v1(185,144) v1(185.5,16.5) v1(186,158.5) v1(186,156.5) v1(186,3.5) v1(186,1.5) v1(186.18,133.38) v1(186.18,123.22) v1(186.18,113.05) v1(186.18,107.97) v1(186.18,102.9) v1(186.18,91.47) v1(186.18,87.66) v1(186.18,60.98) v1(186.18,55.91) v1(186.18,50.82) v1(186.18,45.75) v1(186.18,40.66) v1(186.18,35.59) v1(186.18,30.5) v1(186.18,25.42) v1(186.18,20.34) v1(186.5,15) v1(187.5,144.5) v1(187.5,142.5) v1(187.5,17.5) v1(188,158.5) v1(188,156.5) v1(188,3.5) v1(188,1.5) v1(190,156.5) v1(189.99,133.38) v1(189.99,123.22) v1(189.99,113.05) v1(189.99,107.97) v1(189.99,55.91) v1(189.99,50.82) v1(189.99,45.75) v1(189.99,40.66) v1(189.99,35.59) v1(189.99,30.5) v1(189.99,25.42) v1(189.99,20.34) v1(190,3.5) v1(190.5,144) v1(190.5,16) v1(192.5,144) v1(192.5,142) v1(192.5,18) v1(192.5,16) v1(193,158) v1(193,156) v1(193,2) v1(193.8,133.38) v1(193.8,123.22) v1(193.8,113.05) v1(193.8,107.97) v1(193.8,45.75) v1(193.8,40.66) v1(193.8,35.59) v1(193.8,30.5) v1(193.8,25.42) v1(194,4.5) v1(194.5,144) v1(194.5,142) v1(194.5,18) v1(194.5,16) v1(195,157) v1(195.5,154) v1(195.5,3.5) v1(196,7) v1(196.5,155.5) v1(196.5,150) v1(196.5,148) v1(196.5,146) v1(196.5,142) v1(196.5,140) v1(196.5,20) v1(196.5,18) v1(196.5,16) v1(196.5,14) v1(196.5,12) v1(196.5,10) v1(197,5) v1(198,153) v1(198,7) v1(198.5,148) v1(198.5,146) v1(198.5,144) v1(198.5,142) v1(198.5,140) v1(198.5,138) v1(198.5,136) v1(198.5,134) v1(198.5,132) v1(198.5,130) v1(198.5,128) v1(198.5,126) v1(198.5,124) v1(198.5,122) v1(198.5,120) v1(198.5,118) v1(198.5,116) v1(198.5,114) v1(198.5,112) v1(198.5,110) v1(198.5,108) v1(198.5,106) v1(198.5,104) v1(198.5,102) v1(198.5,100) v1(198.5,98) v1(198.5,96) v1(198.5,94) v1(198.5,92) v1(198.5,90) v1(198.5,88) v1(198.5,86) v1(198.5,84) v1(198.5,82) v1(198.5,80) v1(198.5,78) v1(198.5,76) v1(198.5,74) v1(198.5,72) v1(198.5,70) v1(198.5,68) v1(198.5,66) v1(198.5,64) v1(198.5,62) v1(198.5,60) v1(198.5,58) v1(198.5,56) v1(198.5,54) v1(198.5,52) v1(198.5,50) v1(198.5,48) v1(198.5,46) v1(198.5,44) v1(198.5,42) v1(198.5,40) v1(198.5,38) v1(198.5,36) v1(198.5,34) v1(198.5,32) v1(198.5,30) v1(198.5,28) v1(198.5,26) v1(198.5,24) v1(198.5,22) v1(198.5,20) v1(198.5,18) v1(198.5,16) v1(198.5,14) v1(198.5,12)
VEE:
  vias: v1(4.57,133.38) v1(4.57,123.22) v1(4.57,113.05) v1(4.57,102.9) v1(4.57,92.73) v1(4.57,85.12) v1(4.57,60.98) v1(4.57,50.82) v1(4.57,40.66) v1(4.57,30.5) v1(8.38,135.91) v1(8.38,130.83) v1(8.38,125.75) v1(8.38,120.67) v1(8.38,115.59) v1(8.38,110.51) v1(8.38,105.44) v1(8.38,100.35) v1(8.38,95.28) v1(8.38,90.19) v1(8.38,87.66) v1(8.38,82.57) v1(8.38,63.53) v1(8.38,58.44) v1(8.38,53.37) v1(8.38,48.28) v1(8.38,43.2) v1(8.38,38.12) v1(8.38,33.04) v1(8.38,22.88) v1(12.19,135.91) v1(12.19,130.83) v1(12.19,125.75) v1(12.19,120.67) v1(12.19,115.59) v1(12.19,110.51) v1(12.19,63.53) v1(12.19,58.44) v1(12.19,53.37) v1(12.19,48.28) v1(12.19,43.2) v1(12.19,38.12) v1(12.19,33.04) v1(12.19,26.06) v1(12.19,20.34) v1(16,135.91) v1(16,130.83) v1(16,125.75) v1(16,120.67) v1(16,115.59) v1(16,110.51) v1(16,63.53) v1(16,58.44) v1(16,53.37) v1(16,48.28) v1(16,43.2) v1(16,38.12) v1(16,33.04) v1(17.91,26.06) v1(17.91,20.34) v1(19.81,135.91) v1(19.81,130.83) v1(19.81,125.75) v1(19.81,120.67) v1(19.81,115.59) v1(19.81,110.51) v1(19.81,58.44) v1(19.81,53.37) v1(19.81,48.28) v1(19.81,43.2) v1(19.81,38.12) v1(19.81,33.04) v1(22.35,15.26) v1(23.62,146.07) v1(23.62,141) v1(23.62,135.91) v1(23.62,130.83) v1(23.62,125.75) v1(23.62,120.67) v1(23.62,53.37) v1(23.62,48.28) v1(23.62,43.2) v1(23.62,38.12) v1(23.62,33.04) v1(23.62,22.88) v1(23.62,12.72) v1(23.62,7.65) v1(24.89,15.26) v1(27.43,156.24) v1(27.43,151.16) v1(27.43,146.07) v1(27.43,141) v1(27.43,135.91) v1(27.43,130.83) v1(27.43,125.75) v1(27.43,120.67) v1(27.43,33.04) v1(27.43,22.88) v1(27.43,12.72) v1(27.43,7.65) v1(31.24,156.24) v1(31.24,151.16) v1(31.24,146.07) v1(31.24,141) v1(31.24,33.04) v1(31.24,22.88) v1(31.24,12.72) v1(31.24,7.65) v1(33.78,15.26) v1(35.05,156.24) v1(35.05,151.16) v1(35.05,146.07) v1(35.05,141) v1(35.05,33.04) v1(35.05,22.88) v1(35.05,12.72) v1(35.05,7.65) v1(36.32,15.26) v1(38.86,156.24) v1(38.86,151.16) v1(38.86,146.07) v1(38.86,141) v1(38.86,33.04) v1(38.86,22.88) v1(38.86,12.72) v1(38.86,7.65) v1(42.67,156.24) v1(42.67,151.16) v1(42.67,146.07) v1(42.67,141) v1(42.67,43.2) v1(42.67,38.12) v1(42.67,33.04) v1(42.67,12.72) v1(42.67,7.65) v1(45.21,105.44) v1(45.21,15.26) v1(46.48,156.24) v1(46.48,151.16) v1(46.48,146.07) v1(46.48,141) v1(46.48,105.44) v1(46.48,98.45) v1(46.48,48.28) v1(46.48,43.2) v1(46.48,38.12) v1(46.48,33.04) v1(46.48,12.72) v1(46.48,7.65) v1(47.75,15.26) v1(50.29,156.24) v1(50.29,151.16) v1(50.29,146.07) v1(50.29,141) v1(50.29,84.48) v1(50.29,48.28) v1(50.29,43.2) v1(50.29,38.12) v1(50.29,33.04) v1(50.29,12.72) v1(50.29,7.65) v1(51.56,54.63) v1(52.83,65.43) v1(54.1,156.24) v1(54.1,151.16) v1(54.1,146.07) v1(54.1,141) v1(54.1,40.66) v1(54.1,33.04) v1(54.1,12.72) v1(56.64,15.26) v1(57.91,156.24) v1(57.91,151.16) v1(57.91,146.07) v1(57.91,141) v1(57.91,78.13) v1(57.91,12.72) v1(59.18,15.26) v1(61.09,108.61) v1(61.72,156.24) v1(61.72,151.16) v1(61.72,146.07) v1(61.72,141) v1(61.72,100.35) v1(61.72,22.88) v1(61.72,17.81) v1(61.72,12.72) v1(63.62,113.69) v1(63.62,39.4) v1(64.9,44.47) v1(64.9,34.31) v1(65.53,156.24) v1(65.53,151.16) v1(65.53,146.07) v1(65.53,141) v1(65.53,100.35) v1(65.53,22.88) v1(67.44,47.01) v1(69.34,156.24) v1(69.34,151.16) v1(69.34,146.07) v1(69.34,141) v1(69.34,27.97) v1(69.34,22.88) v1(71.25,113.69) v1(73.15,156.24) v1(73.15,151.16) v1(73.15,141) v1(73.15,22.88) v1(74.42,59.72) v1(76.96,156.24) v1(76.96,27.97) v1(76.96,22.88) v1(78.87,113.69) v1(80.77,156.24) v1(82.68,52.73) v1(87.12,156.24) v1(87.12,71.15) v1(88.39,104.16) v1(89.66,62.25) v1(90.93,156.24) v1(94.74,156.24) v1(98.55,156.24) v1(101.73,32.41) v1(104.9,156.24) v1(109.98,136.55) v1(113.79,156.24) v1(113.79,151.16) v1(113.79,56.54) v1(113.79,52.73) v1(117.6,156.24) v1(117.6,151.16) v1(117.6,146.07) v1(117.6,141) v1(121.41,156.24) v1(125.22,156.24) v1(129.03,156.24) v1(132.84,156.24) v1(136.65,156.24) v1(140.46,156.24) v1(142.37,153.69) v1(144.27,156.24) v1(148.08,156.24) v1(151.89,156.24) v1(155.7,156.24) v1(156.97,150.52) v1(159.51,156.24) v1(163.32,156.24) v1(164.59,150.52) v1(167.13,156.24) v1(169.67,92.73) v1(169.67,90.19) v1(170.94,156.24) v1(170.94,133.38) v1(170.94,85.12) v1(170.94,80.03) v1(174.75,156.24) v1(174.75,92.73) v1(174.75,90.19) v1(174.75,85.12) v1(174.75,80.03) v1(176.02,91.47) v1(177.29,92.73) v1(177.29,90.19) v1(178.56,151.16) v1(178.56,146.07) v1(178.56,141) v1(178.56,135.91) v1(178.56,130.83) v1(178.56,85.12) v1(178.56,80.03) v1(182.37,135.91) v1(182.37,130.83) v1(182.37,85.12) v1(182.37,80.03) v1(184.28,91.47) v1(184.28,88.92) v1(186.18,135.91) v1(186.18,130.83) v1(186.18,125.75) v1(186.18,120.67) v1(186.18,115.59) v1(186.18,110.51) v1(186.18,105.44) v1(189.99,135.91) v1(189.99,130.83) v1(189.99,125.75) v1(189.99,120.67) v1(189.99,115.59) v1(189.99,110.51) v1(189.99,105.44) v1(193.8,135.91) v1(193.8,130.83) v1(193.8,125.75) v1(193.8,120.67) v1(193.8,115.59) v1(193.8,110.51) v1(193.8,105.44) v1(196.34,133.38) v1(196.34,123.22) v1(196.34,113.05) v1(196.34,107.97)
